# Altium PCB RK_NVR_DEMO1_RK3588_LP4XD200P232SD8_V21_20211228_final_lint.PcbDoc (part 9 of 29)
Units mm, origin at the board's own origin, x right, y up, seen from the top; angles counter-clockwise.
Board outline 170.08 x 169.98 mm, 8 copper layers (TOP, L2-GND1, L3-POWER1, L4-S1, L5-GND2, L6-S2, L7-GND3, BOTTOM), stack 2.118 mm thick; 1650 components, 1119 nets, 6165 pads, 15417 vias.
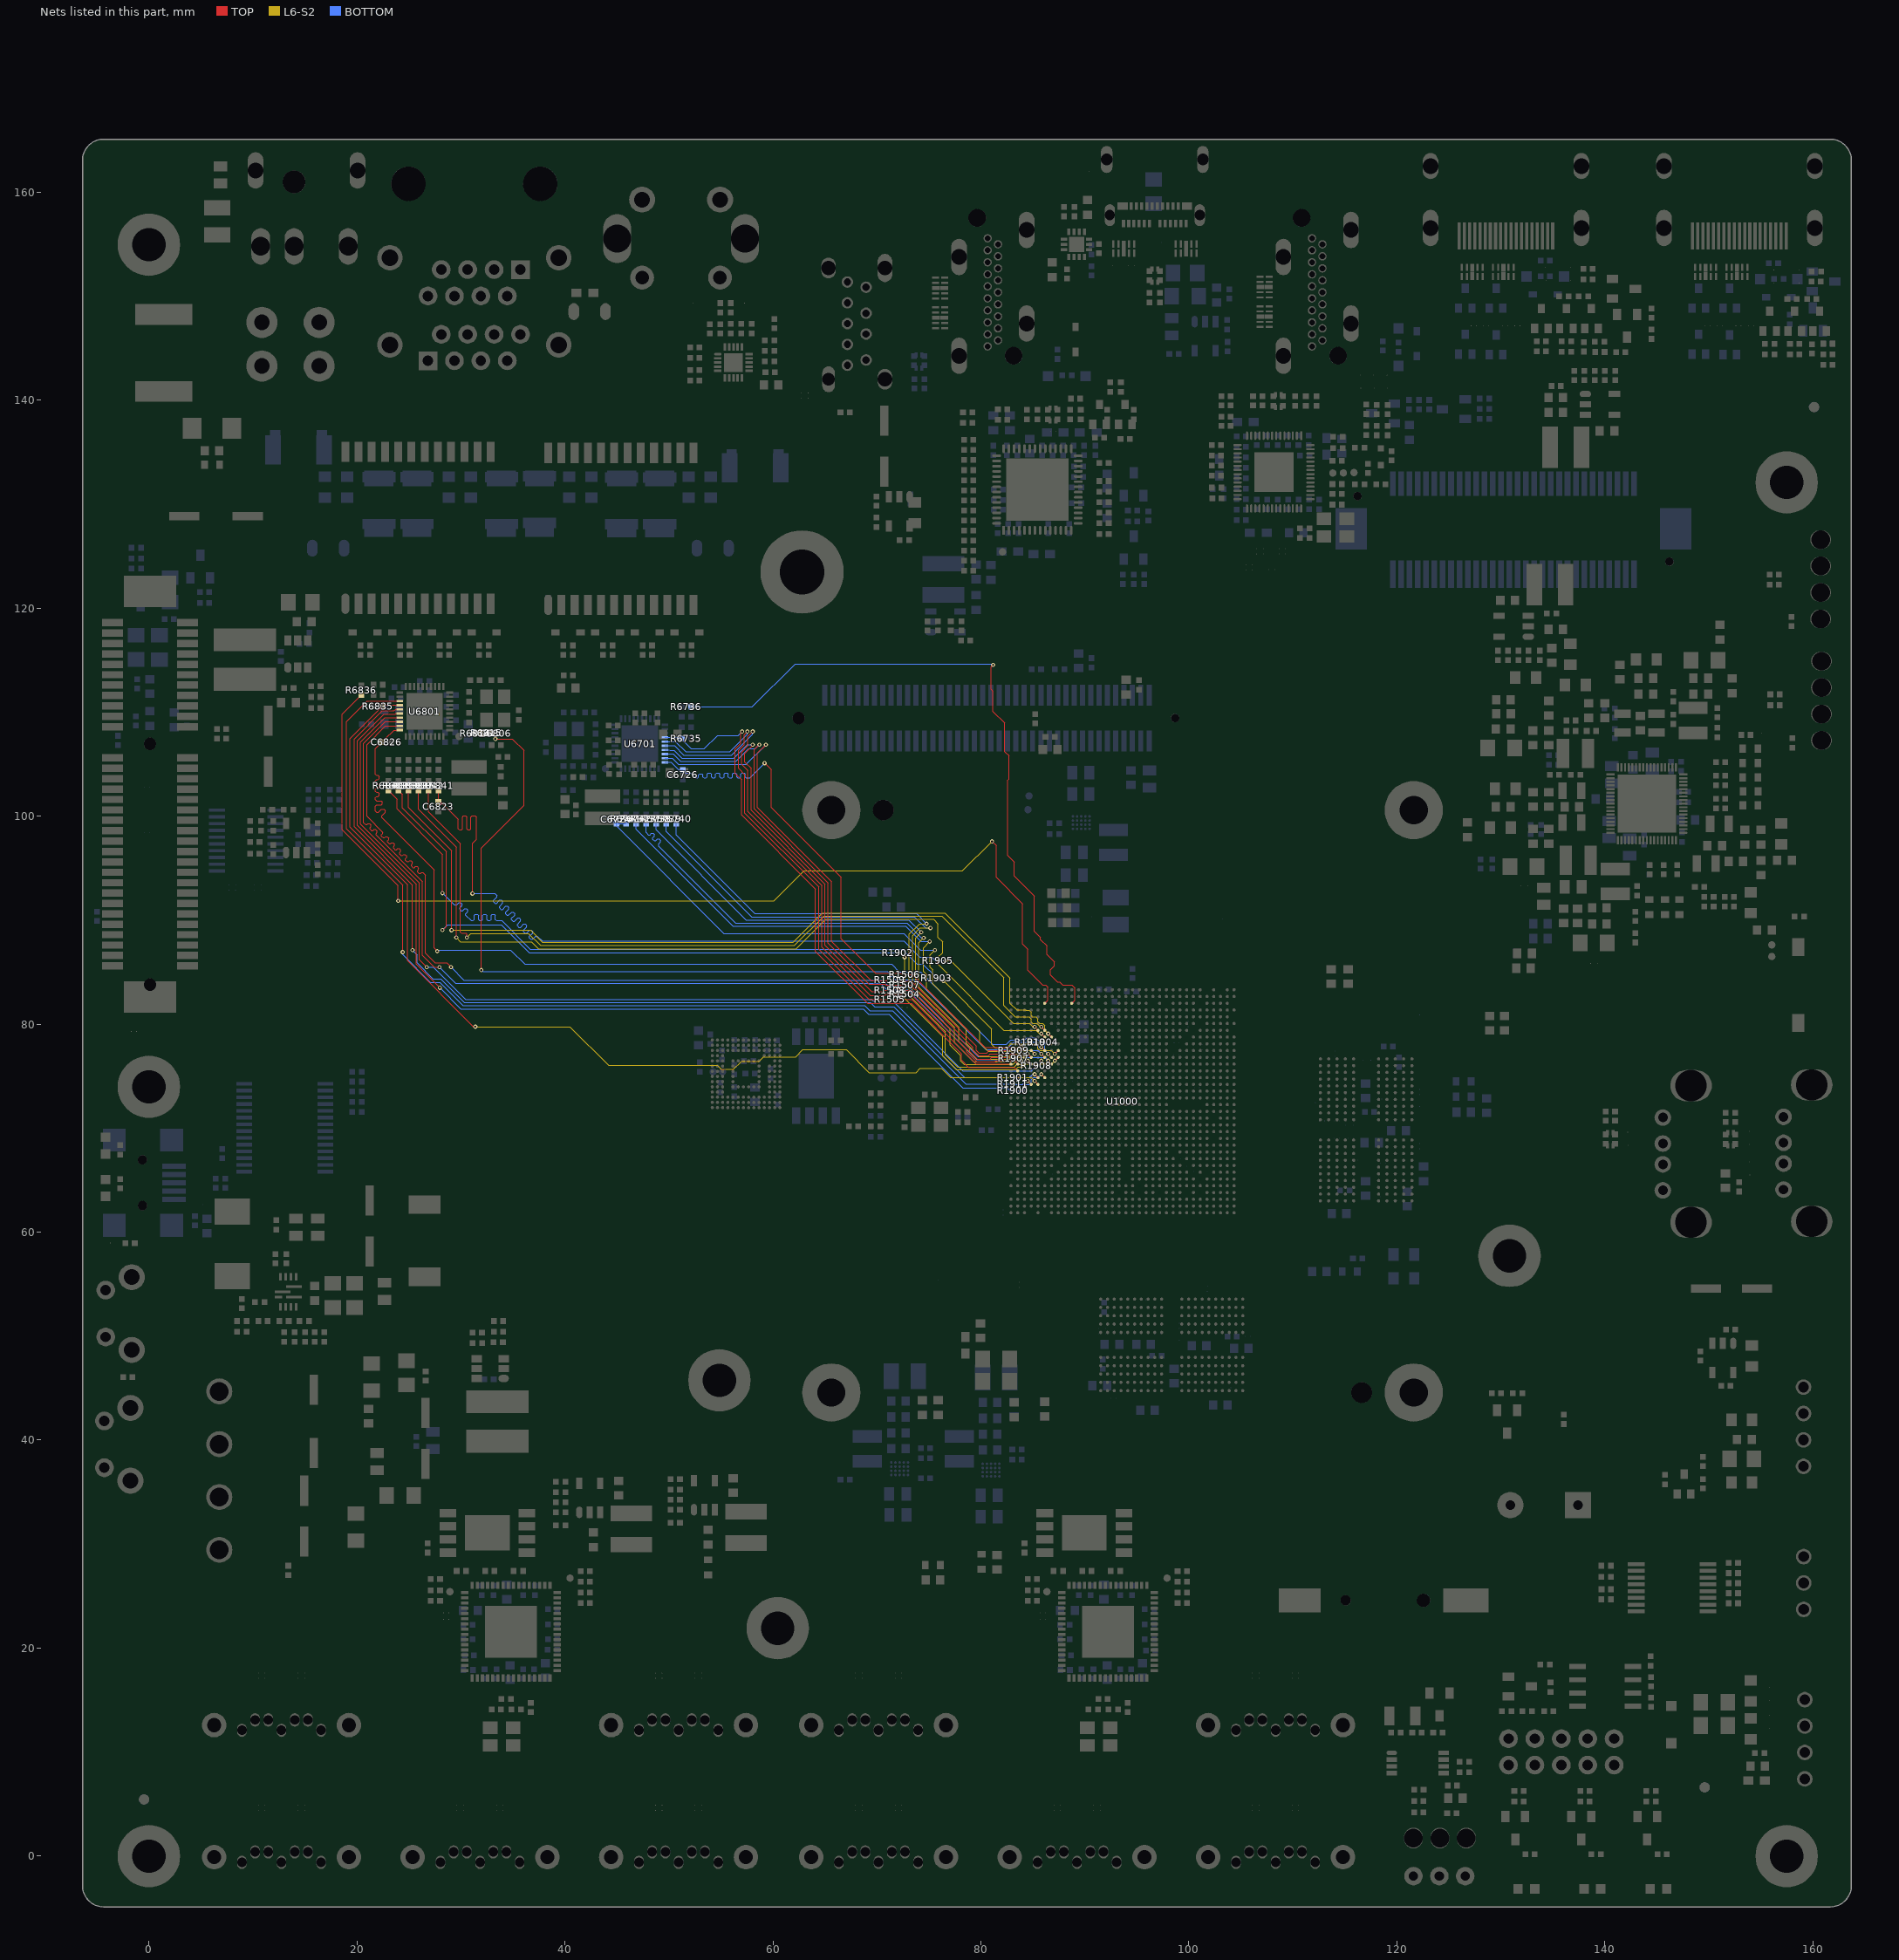
[diagram p15: the nets of this part, all layers, seen from the top]

## Via types
v1: diameter 0.4, hole 0.2, TOP to BOTTOM, 1688 vias
v2: diameter 0.4/0.4 (per signal layer), hole 0.2, TOP to L2-GND1, 1605 vias
v3: diameter 0/0/0/0/0/0/0/0.4 (per signal layer), hole 0.2, TOP to BOTTOM, 1253 vias
v4: diameter 0.4/0/0/0/0/0/0/0 (per signal layer), hole 0.2, TOP to BOTTOM, 1253 vias
v5: diameter 0.5, hole 0.3, TOP to BOTTOM, 857 vias
v6: diameter 0.4/0.4/0.4/0.4/0.4 (per signal layer), hole 0.2, L4-S1 to BOTTOM, 836 vias
v7: diameter 0/0/0/0/0/0/0/0.5 (per signal layer), hole 0.3, TOP to BOTTOM, 772 vias
v8: diameter 0.5/0/0/0/0/0/0/0 (per signal layer), hole 0.3, TOP to BOTTOM, 772 vias
v9: diameter 0.5/0.5 (per signal layer), hole 0.3, TOP to L2-GND1, 766 vias
v10: diameter 0.4/0.4 (per signal layer), hole 0.2, L7-GND3 to BOTTOM, 611 vias
v11: diameter 0.4/0.4/0.4/0.4 (per signal layer), hole 0.2, L5-GND2 to BOTTOM, 579 vias
v12: diameter 0.4 (per signal layer), hole 0.2, L6-S2 to L6-S2, 535 vias
v13: diameter 0.5/0.5/0.5/0.5/0.5 (per signal layer), hole 0.3, L4-S1 to BOTTOM, 457 vias
v14: diameter 0.5/0.5/0.5/0.5 (per signal layer), hole 0.3, L5-GND2 to BOTTOM, 455 vias
v15: diameter 0.4 (per signal layer), hole 0.2, L5-GND2 to L5-GND2, 418 vias
v16: diameter 0.5/0.5/0.5 (per signal layer), hole 0.3, TOP to L3-POWER1, 306 vias
v17: diameter 0.4 (per signal layer), hole 0.2, L4-S1 to L4-S1, 300 vias
v18: diameter 0.4/0.4/0.4 (per signal layer), hole 0.2, TOP to L3-POWER1, 287 vias
v19: diameter 0.5 (per signal layer), hole 0.3, L3-POWER1 to L3-POWER1, 242 vias
v20: diameter 0.5 (per signal layer), hole 0.3, L4-S1 to L4-S1, 240 vias
v21: diameter 0.5/0.5 (per signal layer), hole 0.3, L7-GND3 to BOTTOM, 192 vias
v22: diameter 0.5 (per signal layer), hole 0.3, L6-S2 to L6-S2, 166 vias
v23: diameter 0.4/0.4/0.4/0.4/0.4 (per signal layer), hole 0.2, TOP to L5-GND2, 134 vias
v24: diameter 0.5 (per signal layer), hole 0.3, L5-GND2 to L5-GND2, 114 vias
v25: diameter 0.5/0.5 (per signal layer), hole 0.3, L3-POWER1 to L4-S1, 111 vias
v26: diameter 0.4 (per signal layer), hole 0.2, L3-POWER1 to L3-POWER1, 93 vias
v27: diameter 0.4/0.4 (per signal layer), hole 0.2, L4-S1 to L5-GND2, 59 vias
v28: diameter 0.4/0.4/0/0/0.4/0/0.4/0.4 (per signal layer), hole 0.2, TOP to BOTTOM, 56 vias
v29: diameter 0.4/0/0/0.4/0/0/0/0.4 (per signal layer), hole 0.2, TOP to BOTTOM, 51 vias
v30: diameter 0.5/0.5 (per signal layer), hole 0.3, L4-S1 to L5-GND2, 46 vias
v31: diameter 0.4/0/0/0/0/0.4/0/0.4 (per signal layer), hole 0.2, TOP to BOTTOM, 42 vias
v32: diameter 0.5/0.5/0.5/0.5/0.5 (per signal layer), hole 0.3, TOP to L5-GND2, 32 vias
v33: diameter 0.4/0.4 (per signal layer), hole 0.2, L3-POWER1 to L4-S1, 29 vias
v34: diameter 0.4/0/0.4/0/0/0/0/0.4 (per signal layer), hole 0.2, TOP to BOTTOM, 29 vias
v35: diameter 0.4/0.4/0/0/0.4/0.4/0.4/0.4 (per signal layer), hole 0.2, TOP to BOTTOM, 21 vias
v36: diameter 0.5/0.5/0.5/0/0.5/0.5/0.5/0.5 (per signal layer), hole 0.3, TOP to BOTTOM, 4 vias
v37: diameter 0.5/0.5/0/0.5/0.5/0.5/0.5/0.5 (per signal layer), hole 0.3, TOP to BOTTOM, 3 vias
v38: diameter 0.4/0/0.4/0.4/0/0/0/0.4 (per signal layer), hole 0.2, TOP to BOTTOM, 2 vias
v39: diameter 0.4/0.4/0.4/0/0.4/0/0.4/0.4 (per signal layer), hole 0.2, TOP to BOTTOM, 1 vias

## Nets (pads, with @x,y where several pads share a name; then routed paths per layer and width w, separated by ;. In a path a pad name is that pad's centre, name@x,y a point inside that pad or via, vN(x,y) a via of type N, cw(c..) or ccw(c..) an arc to the next point about the centre after c; other vN are vias at no path point) (continued)
GMAC0_MDIO: R6735.2 U1000.AB33 U6701.14 | length 57.8
  TOP w0.102: v4(57.04,108.141) 56.913,108.014 56.913,106.998 56.379,106.464 56.379,104.102 56.989,103.493 56.989,100.114 64.101,93.002 64.101,86.983 69.105,81.979 73.297,81.979 78.122,77.154 78.122,76.543 78.814,75.851 83.195,75.851 U1000.AB33@83.541,75.506
  BOTTOM w0.102: U6701.14@49.61,107.572 51.123,107.572 R6735.2@51.23,107.466 51.23,107.398 52.138,106.49 53.408,106.49 54.678,107.76 56.659,107.76 v4(57.04,108.141)
  other v3: 57.04,108.141
GMAC0_RSTN_L_GPIO4_B3: R6736.1 U1000.AM25 | length 67.9
  TOP w0.089: 88.739,83.757 89.044,83.452
  TOP w0.102: v4(81.17,114.542) 80.967,114.338 80.967,112.205 81.17,112.002 81.17,110.071 82.287,108.954 82.287,106.21 82.694,105.804 82.694,103.569 82.592,103.467 82.592,96.204 83.202,95.594 83.202,94.239 85.136,92.305 85.136,88.925 85.742,88.32 85.742,88.126 86.351,87.516 86.351,86.703 87.063,85.992 87.063,85.586 86.707,85.23 86.707,84.722 87.367,84.062 87.571,84.062 87.875,83.757 88.739,83.757 ; U1000.AM25@88.74,82.006 89.044,82.309 89.044,83.452
  BOTTOM w0.102: R6736.1@52.13,110.501 58.003,110.501 62.145,114.643 81.068,114.643 v4(81.17,114.542)
  other v3: 81.17,114.542
GMAC0_RXCLK: C6724.1 R6741.2 U1000.AE32 | length 52.7
  TOP w0.102: v4(83.866,77.781) U1000.AE32@84.191,77.456
  L6-S2 w0.089: 82.09,77.407 82.694,77.407 83.068,77.781 v4(83.866,77.781)
  L6-S2 w0.102: v4(75.576,87.109) 75.125,86.658 75.125,85.484 75.379,85.23 75.379,83.869 79.915,79.332 79.915,78.162 80.671,77.407 82.09,77.407
  BOTTOM w0.102: R6741.2@45.88,99.273 44.96,99.273 C6724.1@44.949,99.262 44.949,99.048 55.297,88.7 72.595,88.7 74.186,87.109 v4(75.576,87.109)
  other v3: 83.866,77.781 75.576,87.109
  other v12: 83.866,77.781 75.576,87.109
GMAC0_RXD0: R6737.2 U1000.AD32 | length 52.1
  TOP w0.089: v4(83.865,77.131) U1000.AD32@84.191,76.806
  L6-S2 w0.089: 82.09,76.645 82.694,76.645 83.179,77.131 v4(83.865,77.131)
  L6-S2 w0.102: v4(74.499,88.293) 74.032,87.827 74.032,83.557 77.9,79.689 77.9,78.329 79.584,76.645 82.09,76.645
  BOTTOM w0.102: R6737.2@47.811,99.273 47.811,98.421 48.029,98.204 48.172,98.204 48.333,98.365 48.477,98.365 48.621,98.221 48.621,98.077 48.46,97.916 48.46,97.772 48.604,97.628 48.747,97.628 48.908,97.789 49.052,97.789 49.196,97.646 49.196,97.502 49.035,97.341 49.035,97.096 56.421,89.71 72.879,89.71 74.296,88.293 v4(74.499,88.293)
  other v3: 83.865,77.131 74.499,88.293
  other v12: 83.865,77.131 74.499,88.293
GMAC0_RXD1: R6738.2 U1000.AD31 | length 51.1
  TOP w0.089: v4(84.515,77.131) U1000.AD31@84.841,76.806
  L6-S2 w0.089: 82.09,76.391 82.821,76.391 83.236,76.806 84.191,76.806 v4(84.515,77.131)
  L6-S2 w0.102: v4(74.261,88.827) 73.728,88.294 73.728,83.395 77.446,79.676 77.446,78.235 79.29,76.391 82.09,76.391
  BOTTOM w0.102: R6738.2@48.776,99.273 48.776,98.675 57.437,90.015 73.073,90.015 v4(74.261,88.827)
  other v3: 84.515,77.131 74.261,88.827
  other v12: 84.515,77.131 74.261,88.827
GMAC0_RXD2: R6739.2 U1000.AC32 | length 52.5
  TOP w0.102: v4(83.866,76.481) U1000.AC32@84.191,76.156
  L6-S2 w0.089: 82.09,76.137 83.075,76.137 83.419,76.481 v4(83.866,76.481)
  L6-S2 w0.102: v4(75.143,89.243) 74.159,89.243 73.423,88.507 73.423,83.133 77.046,79.51 77.046,77.975 78.058,76.963 78.058,76.454 78.376,76.137 82.09,76.137
  BOTTOM w0.102: R6739.2@49.741,99.273 49.741,98.523 57.945,90.32 73.6,90.32 74.677,89.243 v4(75.143,89.243)
  other v3: 83.866,76.481 75.143,89.243
  other v12: 83.866,76.481 75.143,89.243
GMAC0_RXD3: R6740.2 U1000.AC31 | length 52.9
  TOP w0.102: v4(84.516,76.481) U1000.AC31@84.841,76.156
  L6-S2 w0.089: 82.09,75.883 83.202,75.883 83.456,76.137 84.091,76.137 84.435,76.481 v4(84.516,76.481)
  L6-S2 w0.102: v4(74.769,89.65) 74.098,89.65 73.118,88.669 73.118,82.766 76.598,79.286 76.598,77.051 77.766,75.883 82.09,75.883
  BOTTOM w0.102: R6740.2@50.706,99.273 50.706,98.167 58.249,90.624 73.794,90.624 v4(74.769,89.65)
  other v3: 84.516,76.481 74.769,89.65
  other v12: 84.516,76.481 74.769,89.65
GMAC0_RXDV_CRS: R6742.2 U1000.AE31 | length 52.9
  TOP w0.102: U1000.AE31@84.841,77.456 v4(85.166,77.131)
  L6-S2 w0.089: 82.09,76.899 82.645,76.899 83.202,77.455 84.841,77.455 v4(85.166,77.131)
  L6-S2 w0.102: v4(75.08,87.941) 74.464,87.325 74.464,85.078 74.769,84.773 74.769,83.329 78.614,79.483 78.614,78.153 79.869,76.899 82.09,76.899
  BOTTOM w0.102: R6742.2@46.845,99.273 46.845,98.736 56.176,89.405 72.752,89.405 74.217,87.941 v4(75.08,87.941)
  other v3: 85.166,77.131 75.08,87.941
  other v12: 85.166,77.131 75.08,87.941
GMAC0_TXCLK: C6726.1 R1506.2 U6701.20 | length 42.2
  TOP w0.102: v4(59.199,105.093) 59.834,104.458 59.834,100.826 66.539,94.12 66.539,88.222 69.862,84.9 72.284,84.9 R1506.2@72.411,84.773
  BOTTOM w0.102: U6701.20@49.61,105.172 50.199,105.172 50.946,104.425 C6726.1@51.325,104.425 51.597,104.153 52.077,104.153 52.56,103.67 52.763,103.67 52.865,103.772 52.865,103.975 52.966,104.077 53.17,104.077 53.271,103.975 53.271,103.772 53.373,103.67 53.576,103.67 53.678,103.772 53.678,104.051 53.779,104.153 53.982,104.153 54.084,104.051 54.084,103.772 54.186,103.67 54.389,103.67 54.49,103.772 54.49,104.051 54.592,104.153 54.795,104.153 54.897,104.051 54.897,103.772 54.998,103.67 55.202,103.67 55.303,103.772 55.303,104.051 55.405,104.153 55.608,104.153 55.71,104.051 55.71,103.772 55.811,103.67 56.014,103.67 56.116,103.772 56.116,104.051 56.218,104.153 56.421,104.153 56.522,104.051 56.522,103.772 56.624,103.67 56.827,103.67 56.929,103.772 56.929,104.051 57.03,104.153 57.234,104.153 57.335,104.051 57.335,103.772 57.437,103.67 57.776,103.67 v4(59.199,105.093)
  other v3: 59.199,105.093
GMAC0_TXCLK_SOC: R1506.1 U1000.AE33 | length 13.7
  TOP w0.102: R1506.1@72.911,84.773 73.402,84.773 80.409,77.767 83.23,77.767 U1000.AE33@83.541,77.456
GMAC0_TXD0: R1507.2 U6701.18 | length 41
  TOP w0.102: v4(58.691,106.871) 58.208,106.388 58.208,100.699 65.32,93.587 65.32,87.795 69.257,83.858 70.781,83.858 70.883,83.757 R1507.2@72.411,83.757
  BOTTOM w0.102: U6701.18@49.61,105.972 50.42,105.972 51.122,105.271 56.456,105.271 57.675,106.49 58.31,106.49 v4(58.691,106.871)
  other v3: 58.691,106.871
GMAC0_TXD0_SOC: R1507.1 U1000.AD33 | length 13.8
  TOP w0.102: R1507.1@72.911,83.757 73.246,83.757 79.239,77.763 79.239,77.458 79.748,76.95 80.749,76.95 80.916,77.117 83.23,77.117 U1000.AD33@83.541,76.806
GMAC0_TXD1: R1508.2 U6701.17 | length 40
  TOP w0.102: v4(58.056,106.871) 58.056,106.795 57.294,106.033 57.294,105.194 57.903,104.585 57.903,100.572 65.015,93.46 65.015,87.592 69.486,83.122 70.68,83.122 70.807,83.249 R1508.2@71.014,83.249
  BOTTOM w0.102: U6701.17@49.61,106.372 50.045,106.372 50.105,106.312 50.511,106.312 51.248,105.575 56.252,105.575 57.548,106.871 v4(58.056,106.871)
  other v3: 58.056,106.871
GMAC0_TXD1_SOC: R1508.1 U1000.AD34 | length 14.5
  TOP w0.102: R1508.1@71.514,83.249 71.717,83.452 72.026,83.452 72.229,83.249 73.322,83.249 78.935,77.636 78.935,77.356 79.646,76.645 80.882,76.645 81.043,76.805 U1000.AD34@82.89,76.805
GMAC0_TXD2: R1504.2 U6701.16 | length 44
  TOP w0.102: v4(58.056,108.141) 57.599,107.684 57.599,106.769 56.989,106.16 56.989,104.991 57.599,104.382 57.599,100.445 64.711,93.333 64.711,87.389 69.359,82.741 70.756,82.741 70.883,82.868 R1504.2@72.411,82.868
  BOTTOM w0.102: U6701.16@49.61,106.772 50.534,106.772 51.426,105.88 56.049,105.88 58.056,107.887 v4(58.056,108.141)
  other v3: 58.056,108.141
GMAC0_TXD2_SOC: R1504.1 U1000.AC33 | length 13.6
  TOP w0.102: R1504.1@72.911,82.868 73.27,82.868 78.63,77.508 78.63,77.356 79.586,76.4 81.357,76.4 81.424,76.467 83.23,76.467 U1000.AC33@83.541,76.156
GMAC0_TXD3: R1505.2 U6701.15 | length 42.4
  TOP w0.102: v4(57.548,108.141) 57.233,107.826 57.233,106.871 56.684,106.322 56.684,104.585 57.294,103.975 57.294,100.292 64.406,93.18 64.406,87.186 69.232,82.36 R1505.2@71.014,82.36
  BOTTOM w0.102: U6701.15@49.61,107.172 50.642,107.172 51.63,106.185 55.846,106.185 57.548,107.887 v4(57.548,108.141)
  other v3: 57.548,108.141
GMAC0_TXD3_SOC: R1505.1 U1000.AC34 | length 14
  TOP w0.102: R1505.1@71.514,82.36 73.347,82.36 78.389,77.318 78.389,77.292 79.525,76.156 U1000.AC34@82.891,76.156
GMAC0_TXEN: R1509.2 U6701.19 | length 39.9
  TOP w0.102: v4(59.326,106.871) 58.513,106.058 58.513,100.826 65.625,93.714 65.625,87.973 69.435,84.163 70.912,84.163 R1509.2@71.014,84.265
  BOTTOM w0.102: U6701.19@49.61,105.572 50.312,105.572 50.918,104.966 57.421,104.966 v4(59.326,106.871)
  other v3: 59.326,106.871
GMAC0_TXEN_SOC: R1509.1 U1000.AE34 | length 14.6
  TOP w0.102: R1509.1@71.514,84.265 71.641,84.138 73.296,84.138 79.544,77.89 79.544,77.477 79.793,77.228 80.561,77.228 80.789,77.456 U1000.AE34@82.891,77.456
GMAC1_MCLKIN: R1910.1 U1000.AE29 | length 1.4
  TOP w0.102: v4(85.816,77.781) U1000.AE29@86.141,77.456
  BOTTOM w0.089: R1910.1@85.021,78.25 85.156,78.25 85.625,77.781 v4(85.816,77.781)
  other v3: 85.816,77.781
GMAC1_MCLKINOUT: C6806.1 R1910.2 R6814.1 R6815.1 | length 84.5
  TOP w0.102: R6814.1@31.869,107.946 C6806.1@32.951,107.946 33.291,107.607 33.291,107.455 v4(33.316,107.43) 34.942,107.43 36.059,106.312 36.059,101.034 31.957,96.931 v4(31.957,85.202)
  BOTTOM w0.089: 82.09,77.534 82.44,77.534 83.156,78.25 R1910.2@84.521,78.25
  BOTTOM w0.102: v4(31.957,85.202) 32.109,85.049 70.987,85.049 71.772,84.265 73.753,84.265 80.484,77.534 82.09,77.534 ; R6815.1@32.928,108.014 32.928,107.887 33.291,107.524 33.291,107.455 v4(33.316,107.43)
  other v3: 31.957,85.202 33.316,107.43
GMAC1_MDC: R1911.2 U6801.13 | length 94.2
  TOP w0.102: U6801.13@24.109,111.071 20.972,111.071 18.991,109.09 18.991,98.793 24.399,93.385 v4(24.399,86.93)
  BOTTOM w0.089: 82.09,74.232 R1911.2@82.825,74.232
  BOTTOM w0.102: v4(24.399,86.93) 24.399,86.679 27.067,84.011 27.964,84.011 30.199,81.776 68.825,81.776 69.333,81.268 71.498,81.268 78.533,74.232 82.09,74.232
  other v3: 24.399,86.93
GMAC1_MDC_SOC: R1911.1 U1000.Y31 | length 1.8
  TOP w0.102: v4(84.516,74.531) U1000.Y31@84.841,74.206
  BOTTOM w0.089: R1911.1@83.325,74.232 83.35,74.232 83.376,74.205 83.999,74.205 84.325,74.531 v4(84.516,74.531)
  other v3: 84.516,74.531
GMAC1_MDIO: R6835.2 U1000.Y30 U6801.14 | length 97.2
  TOP w0.102: U6801.14@24.109,110.671 22.596,110.671 R6835.2@22.489,110.564 22.456,110.564 19.334,107.442 19.334,98.958 24.883,93.409 24.883,86.094 31.222,79.755 v4(31.386,79.755) ; v4(85.166,74.531) U1000.Y30@85.491,74.206
  L6-S2 w0.089: 82.09,74.855 84.841,74.855 v4(85.166,74.531)
  L6-S2 w0.102: v4(31.386,79.755) 40.467,79.755 44.187,76.035 54.652,76.035 55.038,75.65 56.197,75.65 56.989,76.442 58.691,76.442 59.097,76.848 62.196,76.848 62.882,77.534 67.073,77.534 69.257,75.349 73.778,75.349 74.159,75.73 76.191,75.73 77.066,74.855 82.09,74.855
  other v3: 85.166,74.531 31.386,79.755
  other v12: 85.166,74.531 31.386,79.755
GMAC1_RSTN_L_GPIO4_A2: R6836.1 U1000.AM29 | length 100.4
  TOP w0.102: R6836.1@20.413,111.653 18.584,109.824 18.584,98.692 23.969,93.307 v4(23.969,91.85) ; v4(81.068,97.574) 81.475,97.168 81.475,94.12 84.015,91.58 84.015,87.719 84.523,87.211 84.523,85.179 85.95,83.752 86.245,83.752 86.443,83.554 86.443,82.308 U1000.AM29@86.141,82.006
  L6-S2 w0.102: v4(23.969,91.85) 60.104,91.85 62.983,94.73 78.223,94.73 v4(81.068,97.574)
  other v3: 23.969,91.85 81.068,97.574
  other v12: 23.969,91.85 81.068,97.574
GMAC1_RXCLK: C6823.1 R1905.2 R6841.2 | length 72.1
  TOP w0.102: R6841.2@27.839,102.473 27.83,102.464 C6823.1@27.83,101.352 28.116,101.352 29.752,99.716 29.752,98.794 29.854,98.692 30.057,98.692 30.158,98.794 30.158,99.911 30.26,100.013 30.463,100.013 30.565,99.911 30.565,98.794 30.666,98.692 30.87,98.692 30.971,98.794 30.971,99.911 31.073,100.013 31.378,100.013 31.479,99.911 31.479,97.769 31.106,97.397 v4(31.106,92.553)
  BOTTOM w0.102: v4(31.106,92.553) 33.257,92.553 33.454,92.357 33.454,92.213 33.14,91.899 33.14,91.756 33.284,91.612 33.428,91.612 33.741,91.925 33.885,91.925 34.029,91.782 34.029,91.638 33.715,91.324 33.715,91.181 33.859,91.037 34.003,91.037 34.316,91.35 34.46,91.35 34.604,91.207 34.604,91.063 34.291,90.749 34.291,90.606 34.434,90.462 34.578,90.462 34.891,90.775 35.035,90.775 35.179,90.632 35.179,90.488 34.866,90.174 34.866,90.031 35.009,89.887 35.153,89.887 35.467,90.2 35.61,90.2 35.754,90.056 35.754,89.913 35.441,89.599 35.441,89.455 35.584,89.312 35.728,89.312 36.042,89.625 36.185,89.625 36.329,89.481 36.329,89.338 36.016,89.024 36.016,88.88 36.159,88.737 36.303,88.737 36.617,89.05 36.76,89.05 36.904,88.906 36.904,88.763 36.591,88.449 36.591,88.305 36.734,88.162 36.878,88.162 37.192,88.475 37.335,88.475 37.816,87.995 72.581,87.995 74.124,86.452 75.284,86.452 R1905.2@75.624,86.112
  other v3: 31.106,92.553
GMAC1_RXCLK_SOC: R1905.1 U1000.AH30 | length 12.1
  TOP w0.089: v4(85.165,79.731) U1000.AH30@85.491,79.405
  L6-S2 w0.089: 81.209,81.991 83.144,80.056 84.668,80.056 84.992,79.731 v4(85.165,79.731)
  L6-S2 w0.102: v4(76.582,86.094) 77.106,86.094 81.209,81.991
  BOTTOM w0.086: R1905.1@76.124,86.112 76.563,86.112 v4(76.582,86.094)
  other v3: 85.165,79.731 76.582,86.094
  other v12: 85.165,79.731 76.582,86.094
GMAC1_RXD0: R6837.2 U1000.AG29 | length 81.2
  TOP w0.089: v4(85.816,79.081) U1000.AG29@86.141,78.756
  TOP w0.102: R6837.2@25.908,102.473 25.908,100.678 29.557,97.029 v4(29.557,88.329)
  L6-S2 w0.089: 82.777,79.406 85.318,79.406 85.643,79.081 v4(85.816,79.081)
  L6-S2 w0.102: v4(29.557,88.329) 29.963,87.922 36.771,87.922 37.466,87.227 62.22,87.227 65.073,90.079 75.457,90.079 75.887,89.65 75.887,88.345 76.309,87.922 76.309,86.876 75.861,86.428 75.861,85.753 82.208,79.406 82.777,79.406
  other v3: 85.816,79.081 29.557,88.329
  other v12: 85.816,79.081 29.557,88.329
GMAC1_RXD1: R6838.2 U1000.AG28 | length 81.5
  TOP w0.102: R6838.2@24.943,102.473 24.943,100.83 29.097,96.677 v4(29.097,89.03) ; v4(86.466,79.081) U1000.AG28@86.791,78.756
  L6-S2 w0.089: 82.795,84.372 82.795,82.004 83.444,81.355 84.282,81.355 84.297,81.34 84.644,81.34 84.825,81.159 84.825,80.812 84.947,80.691 85.294,80.691 85.475,80.51 85.475,80.229 85.648,80.056 85.95,80.056 86.14,79.865 86.14,79.498 86.141,79.496 86.141,79.405 v4(86.466,79.081)
  L6-S2 w0.102: v4(29.097,89.03) 36.679,89.03 37.822,87.887 61.946,87.887 64.75,90.691 76.537,90.691 82.795,84.433 82.795,84.372
  other v3: 86.466,79.081 29.097,89.03
  other v12: 86.466,79.081 29.097,89.03
GMAC1_RXD2: R1902.2 R6839.2 | length 60.3
  TOP w0.102: R6839.2@23.978,102.473 24.375,102.075 24.375,100.788 28.589,96.575 28.589,89.393 v4(28.236,89.04)
  BOTTOM w0.102: v4(28.236,89.04) 28.744,89.548 33.901,89.548 36.578,86.871 R1902.2@71.77,86.871
  other v3: 28.236,89.04
GMAC1_RXD2_SOC: R1902.1 U1000.AD27 | length 23.8
  TOP w0.089: v4(87.116,76.481) U1000.AD27@87.441,76.806
  L6-S2 w0.089: 82.09,75.629 83.329,75.629 83.583,75.883 84.109,75.883 84.382,76.156 86.791,76.156 v4(87.116,76.481)
  L6-S2 w0.102: v4(72.661,86.424) 72.661,82.462 76.329,78.794 76.329,76.914 77.614,75.629 82.09,75.629
  BOTTOM w0.102: R1902.1@72.27,86.871 72.458,86.684 72.458,86.627 v4(72.661,86.424)
  other v3: 87.116,76.481 72.661,86.424
  other v12: 87.116,76.481 72.661,86.424
GMAC1_RXD3: R1903.2 R6840.2 | length 67.2
  TOP w0.102: R6840.2@23.013,102.473 23.867,101.618 23.867,100.687 28.236,96.318 v4(28.236,92.596)
  BOTTOM w0.102: v4(28.236,92.596) 29.355,91.478 29.6,91.478 29.812,91.689 29.955,91.689 30.099,91.546 30.099,91.402 29.887,91.19 29.887,91.046 30.031,90.903 30.175,90.903 30.387,91.114 30.531,91.114 30.674,90.971 30.674,90.827 30.462,90.615 30.462,90.471 30.979,89.954 31.18,89.954 31.281,90.056 31.281,90.462 31.383,90.564 31.586,90.564 31.688,90.462 31.688,90.056 31.789,89.954 31.993,89.954 32.094,90.056 32.094,90.462 32.196,90.564 32.399,90.564 32.501,90.462 32.501,90.056 32.602,89.954 32.805,89.954 32.907,90.056 32.907,90.462 33.009,90.564 33.212,90.564 33.313,90.462 33.313,90.056 33.415,89.954 33.926,89.954 36.669,87.211 72.441,87.211 73.863,85.789 74.404,85.789 R1903.2@75.569,84.624
  other v3: 28.236,92.596
GMAC1_RXD3_SOC: R1903.1 U1000.AE27 | length 15.9
  TOP w0.089: v4(87.116,77.131) U1000.AE27@87.441,77.456
  L6-S2 w0.089: 82.24,77.724 82.503,77.724 82.885,78.106 85.3,78.106 85.49,77.915 85.49,77.647 85.681,77.456 86.791,77.456 v4(87.116,77.131)
  L6-S2 w0.102: v4(76.395,84.163) 81.017,79.54 81.017,78.064 81.319,77.762 81.338,77.762 81.363,77.737 82.227,77.737 82.24,77.724
  BOTTOM w0.086: R1903.1@75.923,84.27 76.03,84.163 v4(76.395,84.163)
  other v3: 87.116,77.131 76.395,84.163
  other v12: 87.116,77.131 76.395,84.163
GMAC1_RXDV_CRS: R6842.2 U1000.AH29 | length 79.6
  TOP w0.089: v4(85.815,79.731) U1000.AH29@86.141,79.405
  TOP w0.102: R6842.2@26.873,102.473 26.873,100.424 29.963,97.334 29.963,88.842 30.065,88.74 30.471,88.74 30.573,88.638 v4(30.573,88.338)
  L6-S2 w0.089: 82.186,84.462 82.186,81.799 83.279,80.706 84.628,80.706 84.826,80.509 84.826,80.203 84.972,80.056 85.379,80.056 85.703,79.731 v4(85.815,79.731)
  L6-S2 w0.102: v4(30.573,88.338) 30.935,88.7 36.501,88.7 37.644,87.557 62.083,87.557 64.91,90.384 76.263,90.384 82.186,84.462
  other v3: 85.815,79.731 30.573,88.338
  other v12: 85.815,79.731 30.573,88.338
GMAC1_TXCLK: C6826.1 R1904.2 U6801.20 | length 91
  TOP w0.102: U6801.20@24.109,108.271 23.575,108.271 22.742,107.438 22.714,107.438 C6826.1@22.401,107.125 21.772,106.496 21.772,104.015 21.874,103.914 22.039,103.914 22.14,103.812 22.14,103.609 22.039,103.507 21.874,103.507 21.772,103.406 21.772,103.202 21.874,103.101 22.039,103.101 22.14,102.999 22.14,102.796 22.039,102.694 21.874,102.694 21.772,102.593 21.772,102.39 21.874,102.288 22.039,102.288 22.14,102.186 22.14,101.983 22.039,101.882 21.874,101.882 21.772,101.78 21.772,101.57 21.874,101.468 22.343,101.468 22.445,101.366 22.445,101.163 22.343,101.062 21.874,101.062 21.772,100.96 21.772,100.482 21.903,100.351 22.047,100.351 22.361,100.665 22.606,100.665 22.75,100.521 22.75,100.377 22.386,100.013 22.386,99.869 27.423,94.831 27.423,87.313 v4(27.728,87.008)
  BOTTOM w0.089: 82.09,78.073 82.471,78.073 82.872,78.474 84.218,78.474 84.421,78.677 85.282,78.677 85.709,78.25 R1904.2@85.734,78.25
  BOTTOM w0.102: v4(27.728,87.008) 27.83,87.11 34.79,87.11 36.14,85.76 71.419,85.76 72.153,85.027 74.17,85.027 81.124,78.073 82.09,78.073
  other v3: 27.728,87.008
GMAC1_TXCLK_SOC: R1904.1 U1000.AD28 | length 1.8
  TOP w0.089: v4(86.466,77.131) U1000.AD28@86.791,76.806
  BOTTOM w0.089: R1904.1@86.234,78.25 86.14,78.156 86.14,77.456 v4(86.466,77.131)
  other v3: 86.466,77.131
GMAC1_TXD0: R1907.2 U6801.18 | length 88.7
  TOP w0.102: U6801.18@24.109,109.071 22.715,109.071 20.655,107.011 20.655,99.363 20.828,99.189 20.972,99.189 21.07,99.288 21.214,99.288 21.358,99.144 21.358,99 21.259,98.902 21.259,98.758 21.403,98.614 21.547,98.614 21.645,98.713 21.789,98.713 21.933,98.569 21.933,98.425 21.834,98.327 21.834,98.183 26.306,93.712 26.306,86.602 27.423,85.484 v4(27.931,85.484)
  BOTTOM w0.089: 72.914,83.3 79.62,76.594 82.217,76.594 82.268,76.645 82.833,76.645 82.888,76.7 R1907.2@82.913,76.7
  BOTTOM w0.102: v4(27.931,85.484) 29.484,83.932 70.327,83.932 70.959,83.3 72.914,83.3
  other v3: 27.931,85.484
GMAC1_TXD0_SOC: R1907.1 U1000.AC28 | length 3.7
  TOP w0.102: v4(86.466,76.481) U1000.AC28@86.791,76.156
  BOTTOM w0.089: R1907.1@83.414,76.7 83.438,76.7 83.544,76.805 86.141,76.805 v4(86.466,76.481)
  other v3: 86.466,76.481
GMAC1_TXD1: R1908.2 U6801.17 | length 91.7
  TOP w0.102: U6801.17@24.109,109.471 22.683,109.471 20.35,107.138 20.35,99.236 26.001,93.585 26.001,86.195 v4(26.712,85.484)
  BOTTOM w0.089: 82.09,75.505 84.65,75.505 84.654,75.502 84.851,75.502 R1908.2@85.167,75.818
  BOTTOM w0.102: v4(26.712,85.484) 27.354,85.484 30.453,82.385 69.506,82.385 69.912,81.979 71.771,81.979 78.245,75.505 82.09,75.505
  other v3: 26.712,85.484
GMAC1_TXD1_SOC: R1908.1 U1000.AC29 | length 0.9
  TOP w0.102: v4(85.816,76.481) U1000.AC29@86.141,76.156
  BOTTOM w0.089: R1908.1@85.521,76.172 85.521,76.186 v4(85.816,76.481)
  other v3: 85.816,76.481
GMAC1_TXD2: R1900.2 U6801.16 | length 91.1
  TOP w0.102: U6801.16@24.109,109.871 23.769,109.871 23.714,109.817 22.597,109.817 20.045,107.265 20.045,99.11 25.696,93.459 25.696,85.78 v4(27.978,83.498)
  BOTTOM w0.089: 82.09,73.851 82.537,73.851 82.788,73.6 R1900.2@82.813,73.6
  BOTTOM w0.102: v4(27.978,83.498) 30.005,81.471 68.699,81.471 69.207,80.963 71.168,80.963 78.28,73.851 82.09,73.851
  other v3: 27.978,83.498
GMAC1_TXD2_SOC: R1900.1 U1000.AA29 | length 4
  TOP w0.102: v4(85.816,75.181) U1000.AA29@86.141,74.856
  BOTTOM w0.089: R1900.1@83.313,73.6 83.338,73.6 83.381,73.556 84,73.556 84.19,73.746 84.19,74.014 84.382,74.206 84.65,74.206 84.84,74.396 84.84,74.664 85.032,74.856 85.491,74.856 v4(85.816,75.181)
  other v3: 85.816,75.181
GMAC1_TXD3: R1901.2 U6801.15 | length 91.2
  TOP w0.102: U6801.15@24.109,110.271 23.737,110.271 23.588,110.122 22.445,110.122 19.74,107.417 19.74,98.983 25.344,93.38 v4(25.344,87.11)
  BOTTOM w0.089: 82.09,74.87 R1901.2@82.825,74.87
  BOTTOM w0.102: v4(25.344,87.11) 25.798,86.655 25.798,85.89 27.322,84.366 28.04,84.366 30.326,82.08 69.38,82.08 69.786,81.674 71.613,81.674 78.417,74.87 82.09,74.87
  other v3: 25.344,87.11
GMAC1_TXD3_SOC: R1901.1 U1000.AA30 | length 2.4
  TOP w0.102: v4(85.166,75.181) U1000.AA30@85.491,74.856
  BOTTOM w0.089: R1901.1@83.325,74.87 83.35,74.87 83.363,74.856 84.65,74.856 84.975,75.181 v4(85.166,75.181)
  other v3: 85.166,75.181
GMAC1_TXEN: R1909.2 U6801.19 | length 90.1
  TOP w0.102: U6801.19@24.109,108.671 22.747,108.671 20.96,106.884 20.96,99.974 22.474,98.459 22.474,98.316 22.376,98.217 22.376,98.073 22.52,97.929 22.663,97.929 22.762,98.028 22.906,98.028 23.049,97.884 23.049,97.74 22.951,97.642 22.951,97.498 23.095,97.354 23.238,97.354 23.337,97.453 23.481,97.453 23.625,97.309 23.625,97.165 23.526,97.067 23.526,96.923 23.67,96.779 23.814,96.779 23.912,96.878 24.056,96.878 24.2,96.734 24.2,96.59 24.101,96.492 24.101,96.348 24.245,96.204 24.389,96.204 24.487,96.303 24.631,96.303 24.775,96.159 24.775,96.015 24.676,95.917 24.676,95.773 24.82,95.629 24.964,95.629 25.062,95.728 25.206,95.728 25.35,95.584 25.35,95.44 25.251,95.342 25.251,95.198 25.395,95.054 25.539,95.054 25.637,95.153 25.781,95.153 25.925,95.009 25.925,94.865 25.826,94.767 25.826,94.623 25.97,94.479 26.114,94.479 26.212,94.578 26.356,94.578 26.611,94.323 26.611,86.805 27.525,85.89 28.643,85.89 v4(29.049,85.484)
  BOTTOM w0.089: 82.09,76.899 82.325,76.899 82.888,77.462 R1909.2@82.913,77.462
  BOTTOM w0.102: v4(29.049,85.484) 30.297,84.236 70.53,84.236 71.162,83.604 73.04,83.604 79.746,76.899 82.09,76.899
  other v3: 29.049,85.484
GMAC1_TXEN_SOC: R1909.1 U1000.AD29 | length 3
  TOP w0.089: v4(85.815,77.131) U1000.AD29@86.141,76.806
  BOTTOM w0.089: R1909.1@83.414,77.462 83.438,77.462 83.445,77.455 85.491,77.455 v4(85.815,77.131)
  other v3: 85.815,77.131